# KiCad board PCA20073_nRF54L15_Tiny_Board.kicad_pcb (continued)
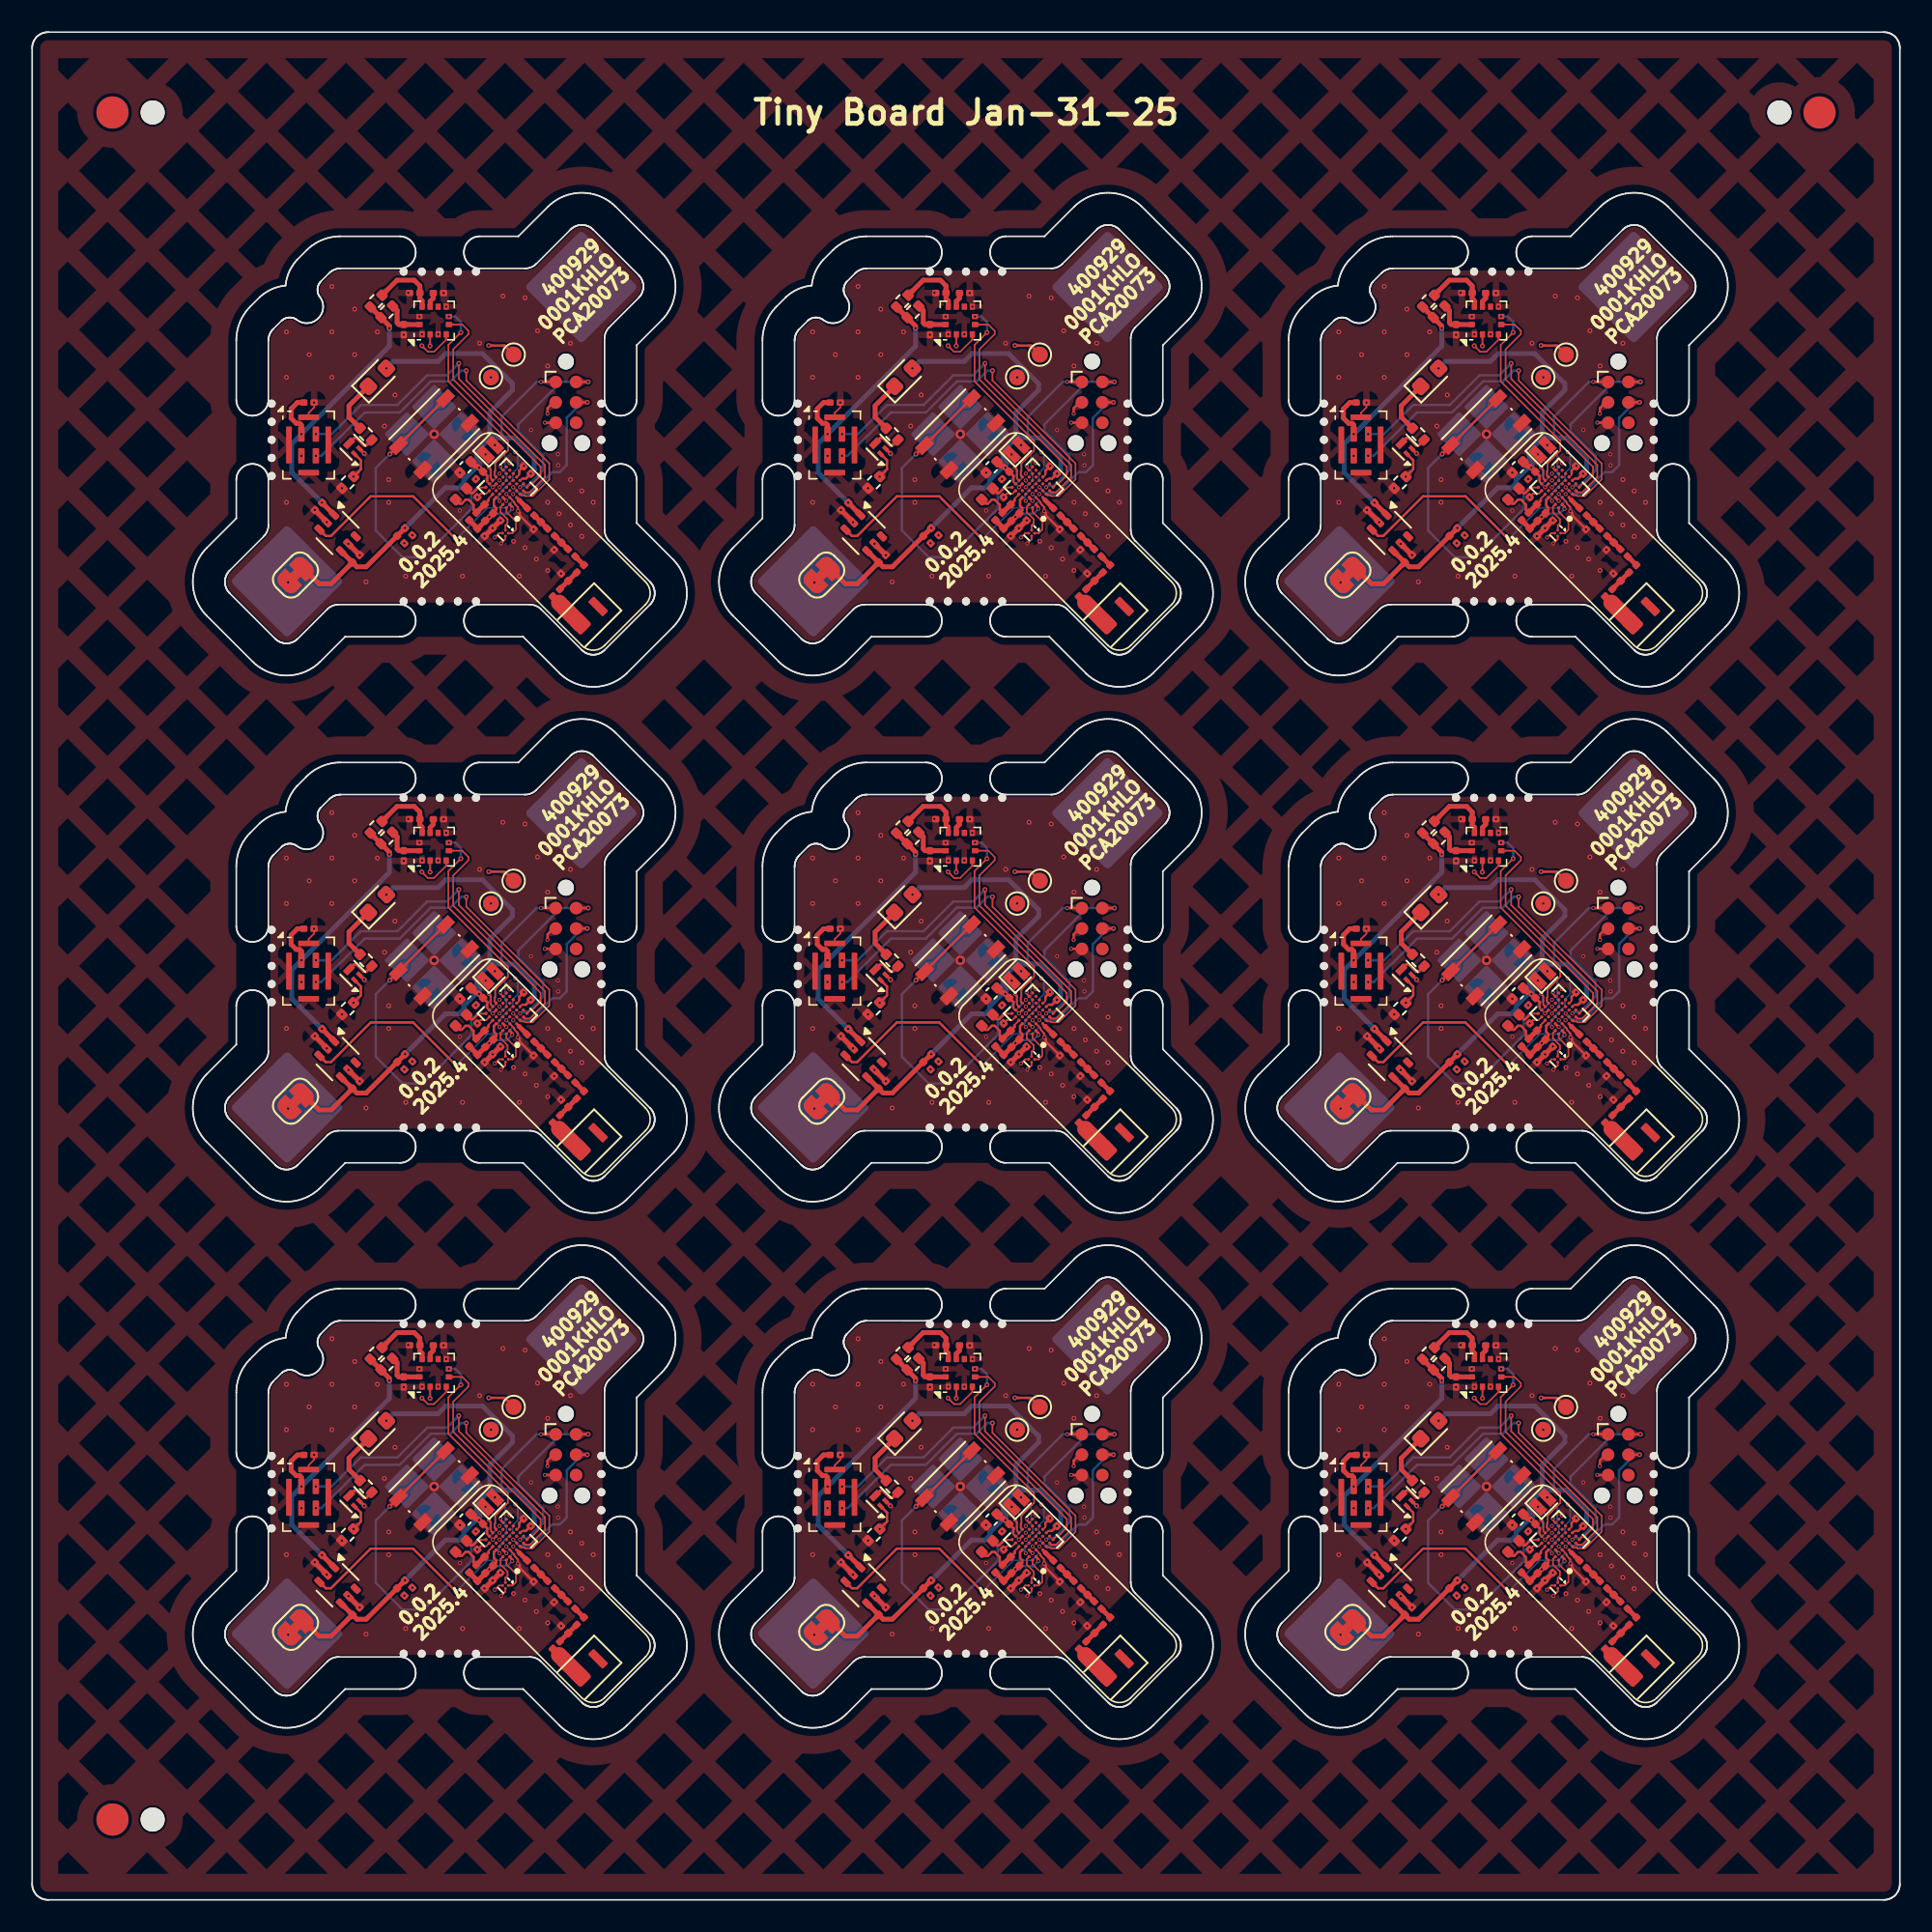
[diagram p0: board, top side]
## Routing (per net, layer and track width the routed paths; a pad name or vN(x,y) marks a point on that pad's centre or on a via; arc(x,y) is an arc through that point) (continued)
Board_3-Net-(L4-Pad2): length 0.8
  Top w0.293: 33.8,50.87 34.34,50.33
Board_3-Net-(L18-Pad1): length 1.5
  Top w0.293: 33.89,49.87 32.85,48.83
Board_3-Net-(Q1-D): length 1.9
  Top w0.15: Q1#3.3 20.04,58.23 20.18,58.23 20.64,57.77 20.79,57.77 R1#7.2
Board_3-Net-(U1-ANT): length 0.9
  Top w0.1: 30.17,54.52 30.16,54.51 30.3,54.37
  Top w0.293: 30.3,54.37 30.3,54.37 L2#2.1
Board_3-Net-(U1-DCC): length 1.5
  Top w0.1: 27.76,55.13 27.78,55.15 28.24,55.15
  Top w0.15: 27.76,55.13 27.44,54.81 27.32,54.81 L1#4.2
Board_3-Net-(U1-DECA): length 5.3
  Top w0.15: U1#2.A4 28.74,54.39 28.74,54.02 28.87,53.89 28.87,53.74 C5#8.1 ; 29.73,54.09 29.88,53.94 v1(29.88,53.83)
  Top w0.3: FB1#2.1 27.7,52.63 C2#3.1 27.72,52.58 v1(28.45,53.32) C5#8.1
  Bottom w0.15: v1(28.45,53.32) 28.7,53.32 28.9,53.52 29.57,53.52 v1(29.88,53.83)
Board_3-Net-(U1-DECD): length 3.6
  Top w0.1: 28.67,54.73 28.4,54.46 28.4,54.4
  Top w0.15: FB1#2.2 27.47,53.76 27.47,54.09 27.16,54.4 26.99,54.4 26.74,54.16 26.6,54.16 L1#4.1 ; C1#2.1 28.4,54.34 28.4,54.4
  Top w0.3: FB1#2.2 C1#2.1
Board_3-Net-(U1-P1.00): length 3.1
  Top w0.1: v1(29.09,55.17) 29.1,55.16 29.09,55.15
  Bottom w0.1: v1(29.09,55.17) 29.53,55.61 29.53,55.9 29.43,56.01 29.43,57.17 v1(28.8,57.8)
Board_3-Net-(U1-XC1): length 2.2
  Top w0.1: U1#2.A1 29.52,53.64 30.12,53.04 30.12,52.53 29.91,52.32 29.64,52.32 Y2#2.1
Board_3-Net-(U1-XC2): length 1.9
  Top w0.1: U1#2.A2 29.16,53.96 29.16,53.62 29.59,53.19 29.59,52.93 29.46,52.8 Y2#2.4
Board_3-Net-(U3-V_{REG_OUT}): length 0.9
  Top w0.3: C15#7.1 24.97,66.94 24.77,66.74 U3#7.9
Board_3-unconnected-(U1-P1.03-PadD5): length 0
  Top w0.1: 29.31,55.37 29.31,55.37 29.31,55.38
Board_3-VDD: length 45.3
  Top w0.1: 28.46,55.37 28.32,55.5 28.32,55.57 ; 30.37,55.58 30.5,55.71 30.57,55.71
  Top w0.15: 28.32,55.57 28.32,55.88 C11#4.1 ; v1(31.67,61.73) 32.59,61.73 J1#4.1 ; v2(31.03,56.02) 30.73,55.71 30.57,55.71
  Top w0.3: JP1#3.2 17.86,49.16 18.61,49.16 C3#7.1 ; U2.4 19.24,51.19 C3#7.1 ; C11#4.1 v2(27.82,56.38) 27.73,56.48 27.59,56.48 C10#2.1 ; C3#7.1 20.21,50.22 20.79,50.22 v2(23.21,52.64)
  Bottom w0.15: 29.47,58.24 29.46,58.24 29.22,58.48 ; 29.02,58.24 29.22,58.44 29.22,58.48 ; 29.22,58.48 29.22,59.55 31.4,61.73 v1(31.67,61.73) ; 29.22,58.48 29.22,58.24
  Bottom w0.3: 28.49,58.62 28.49,59.82 29.9,61.23 29.9,61.62 28.03,63.49 25.75,63.49 25.26,63 22.47,63 v2(22.04,62.57) ; 28.49,58.62 28.49,58.54 28.74,58.29 28.74,58.24 ; 28.49,58.62 28.49,58.22 ; 28.74,58.24 28.51,58.24 28.49,58.22 ; 28.74,58.24 30.05,58.24 31.26,57.03 31.26,56.24 31.06,56.04 ; 27.61,56.38 v2(27.82,56.38) 27.86,56.42 27.86,56.64 ; 27.61,56.38 27.71,56.38 27.86,56.53 27.86,56.64 ; 27.61,56.38 26.87,55.64 26.87,55.43 26.58,55.15 25.72,55.15 v2(23.21,52.64) ; 27.86,56.64 27.67,56.83 27.67,57.41 28.49,58.22
Board_4-/BUTTON0: length 21.9
  Top w0.1: U1#8.C7 61.3,55.71 61.3,56.24 61.17,56.37 v1(61.17,56.4)
  Top w0.15: SW1#3.1 SW1#3.1 v2(55.01,57.24)
  Bottom w0.15: v1(61.17,56.4) 61.28,56.3 61.28,55.96 60.08,54.76 60.08,53.82 59.85,53.58 57.08,50.81 55.8,50.81 54.13,52.48 54.13,56.36 v2(55.01,57.24)
Board_4-/INT1: length 14.2
  Top w0.1: U1#8.G1 63.73,55.37 63.85,55.37 64.39,55.91 64.39,56.45 58.96,61.88 58.96,63.75 59.91,64.71 59.91,64.9 59.52,65.3 U3#5.5
Board_4-/INT2: length 12.8
  Top w0.1: v2(59.43,64.8) 58.65,64.03 58.65,61.76 62.36,58.06 62.36,57.45 61.57,56.67 61.57,56.2 61.52,56.15 61.52,55.91 U1#8.D7
  Bottom w0.15: v2(59.43,64.8) 59.43,65.46 59.09,65.8 v2(58.68,65.8)
Board_4-/LED: length 17.8
  Top w0.15: Q1#9.1 53.21,56.85 53.21,56.29 v2(52.75,55.83) ; U1#8.B3 v1(62.27,54.32)
  In2.Cu w0.15: v2(52.75,55.83) 53.43,55.15 53.43,52.4 55.27,50.56 56.11,50.56 57.52,51.98 58.48,51.98 58.96,51.5 59.56,51.5 60.52,52.46 60.52,53.18 61.26,53.92 61.87,53.92 v1(62.27,54.32)
Board_4-/LFCLK1: length 2.8
  Top w0.075: 61.42,55.17 61.42,55.15
  Top w0.1: U1#8.C6 v1(61.42,55.17)
  Bottom w0.1: v1(61.42,55.17) 61.29,55.3 61.29,55.42 61.57,55.7 61.57,56.61 v1(60.97,57.21)
Board_4-/LSW: length 15.9
  Top w0.075: 62.27,54.73 62.27,54.73 v1(62.27,54.75)
  Top w0.15: v2(59.13,51.94) 56.46,54.61 53.82,54.61 51.35,52.14 51.02,52.14 U2#6.3
  Bottom w0.1: v1(62.27,54.75) 62.62,54.39 62.62,54.26 62.25,53.89 61.09,53.89 v2(59.13,51.94)
Board_4-/PDM_CLK: length 22.8
  Top w0.1: v2(59.77,62.43) 59.77,61.82 64.94,56.65 64.94,55.66 63.9,54.62 63.43,54.62 63.38,54.67 63.19,54.67 U1#8.E1
  Bottom w0.15: v1(50.41,57.13) 50.75,57.13 53.45,59.83 55.63,59.83 57.56,61.76 58.78,61.76 59.45,62.43 v2(59.77,62.43)
Board_4-/PDM_DATA: length 21.8
  Top w0.1: U1#8.F1 63.43,54.86 63.72,54.86 64.66,55.8 64.66,56.56 59.3,61.92 v2(59.3,62.88)
  Bottom w0.15: v2(59.3,62.88) 58.56,62.14 57.33,62.14 55.48,60.29 53.2,60.29 51.39,58.48 v1(50.41,58.48)
Board_4-/SCL: length 28.8
  Top w0.075: U1#8.F7 62.06,56.21
  Top w0.1: U3#5.4 58.52,64.36 57.76,63.6 57.38,63.6 v2(57.01,63.98) ; U1#8.F7 61.9,56.39 v1(61.9,56.48)
  In2.Cu w0.1: v2(57.01,63.98) 57.01,63.72 53.8,60.52 53.8,52.47 55.41,50.87 55.97,50.87 56.43,51.32 56.43,51.65 56.22,51.85 56.22,51.99 56.28,52.06 ; 56.28,52.06 56.54,52.06 56.55,52.05 56.93,52.05 57.2,52.32 59.16,52.32 61.54,54.71 61.81,54.71 62.17,55.08 62.17,55.94 62.11,56 62.11,56.27 v1(61.9,56.48) ; 56.28,52.06 v2(56.41,52.18)
  In2.Cu w0.15: v2(56.41,52.18) 56.55,52.05
Board_4-/SDA: length 24.8
  Top w0.1: U3#5.2 57.52,63.97 v2(57.51,63.96) ; 61.84,55.59 61.84,55.58
  In2.Cu w0.1: v2(55.92,51.69) 56.12,51.48 56.12,51.37 55.94,51.19 55.42,51.19 54.1,52.52 54.1,60.41 57.51,63.82 v2(57.51,63.96)
  In2.Cu w0.15: v2(55.92,51.69) 55.78,51.83 55.78,52 56.38,52.61 56.38,52.92 58.68,55.22 60.32,55.22 60.7,55.59 61.84,55.59 v1(61.84,55.59)
Board_4-/UART_RX: length 13.6
  Top w0.15: v2(61.16,63.99) 62.15,63.99 TP2#8.1
  In2.Cu w0.15: v1(62.83,57.35) 62.98,57.51 62.98,63.16 62.15,63.99 v2(61.16,63.99)
  Bottom w0.1: v1(61.84,54.32) 61.78,54.39 61.78,54.64 61.78,54.58 61.78,54.68 61.95,54.85 61.95,54.92 62.65,55.62 62.65,56.04 62.97,56.37 62.97,57.2 v1(62.83,57.35)
Board_4-/UART_TX: length 7.1
  In2.Cu w0.15: v1(61.84,56.02) 61.83,56.02 61.59,56.25 61.59,56.59 62.65,57.64 62.65,60.67 v2(61.3,62.01)
Board_4-GND: length 11.5
  Top w0.075: 62.74,54.18 62.92,54.01
  Top w0.1: 62.9,55.79 63.07,55.95 63.07,56.04 ; v1(61.54,52.05) 61.8,52.31 Y2#4.3 ; v1(50.3,60.44) 50.3,60.14 49.96,59.8 MK1#3.5 ; U1#8.C2 62.74,54.27 62.74,54.23 62.79,54.18 62.79,54.13 62.99,53.94 v1(62.99,53.68) ; Y2#4.2 62.21,51.94 v1(61.94,51.67) ; v1(60.46,54.56) 60.67,54.76 61.01,54.76 U1#8.A6
  Top w0.15: 63.07,56.04 63.07,56.21 C8#9.2 ; v2(52.03,55.11) 52.03,55.1 52.04,55.08 ; v1(62.99,53.68) 63.09,53.58 63.09,53.42 v2(63.96,52.55) ; J1#6.5 65.33,59.19 v1(64.66,59.19) ; v2(53.42,57.27) Q1#9.2
  Top w0.3: v2(52.43,51.65) v2(53.14,50.95) ; v1(60.9,52.13) 60.92,52.13 v1(61.41,52.63) ; v1(61.9,53.11) v1(61.41,52.63) ; v1(61.41,52.63) C12#8.2 ; v2(51.09,53) 51.09,53.01 v2(50.34,53.76)
  vias: v1(49.51,57.13) v1(59.37,53.72) v1(60.37,55.68) v1(62.46,56.68) v1(63.36,56.5) v1(63.79,58.73) v1(65.47,57.22) v1(65.49,56.54) v2(48.58,64.84) v2(48.58,62.01) v2(48.58,54.23) v2(49.99,63.43) v2(51.41,67.67) v2(51.41,64.84) v2(51.41,62.01) v2(52.82,66.25) v2(52.82,63.43) v2(53.53,49.28) v2(54.23,64.84) v2(54.68,58.98) v2(54.94,55.65) v2(54.94,54.23) v2(55.33,60.92) v2(55.87,64.66) v2(56,49.64) v2(56.16,67.28) v2(56.85,65.8) v2(57.02,64.69) v2(58.02,64.69) v2(58.36,67.26) v2(58.52,66.41) v2(59.37,56.08) v2(59.54,49.64) v2(60.6,64.13) v2(62.05,67.07) v2(62.71,51.81) v2(63.07,49.64) v2(63.43,66.96) v2(63.43,51.41) v2(64.13,50.7) v2(64.2,64.91) v2(64.84,65.55) v2(64.84,62.72) v2(64.84,54.23) v2(64.84,49.99) v2(65.24,51.28) v2(65.55,53.53) v2(65.67,49.8) v2(66.25,64.13) v2(66.25,55.65) v2(66.25,52.82) v2(66.96,54.94) v2(66.96,52.11) v2(67.67,54.23) v3(57.77,58.48)
Board_4-Net-(AE1-PCB_Trace): length 1.9
  Top w1: AE1#9.2 65.55,47.98
Board_4-Net-(BT1-+):
  vias: v2(48.68,49.25)
Board_4-Net-(C6-Pad1): length 1.2
  Top w0.293: 64,53.42 64.82,52.6
Board_4-Net-(C9-Pad1): length 1.2
  Top w0.293: 65.28,52.14 66.1,51.32
Board_4-Net-(D1-K): length 3.4
  Top w0.3: R1.1 52.47,59.54 52.47,60.24 D1#5.1
Board_4-Net-(J1-SWCLK): length 9.5
  Top w0.15: J1#6.4 v2(67.3,60.46)
  Bottom w0.15: v2(67.3,60.46) 66.99,60.46 66.02,59.49 66.02,56.55 65.59,56.11 65.12,56.11 63.79,54.78 63.08,54.78 62.69,55.17 v1(62.69,55.17)
Board_4-Net-(J1-SWDIO): length 11.6
  Top w0.15: v2(67.36,61.73) 66.61,61.73 J1#6.2
  Bottom w0.15: v1(63.12,55.17) 63.13,55.17 63.23,55.27 63.6,55.27 64.56,56.23 64.56,57.15 63,58.71 63,59.08 65.65,61.73 v2(67.36,61.73)
Board_4-Net-(J1-~{RESET}): length 8.1
  Top w0.15: J1#6.3 65.19,60.46 64.83,60.09 v1(64.83,59.75) ; 62.69,54.73 v1(62.69,54.75)
  In2.Cu w0.15: v1(62.69,54.75) 62.77,54.83 63.33,54.83 64.52,56.02 64.52,56.55 63.72,57.35 63.72,58.09 64.2,58.58 64.2,59.49 64.46,59.75 v1(64.83,59.75)
Board_4-Net-(JP2-A): length 2.6
  Top w0.3: 56.85,65.3 U3#5.12 55.88,65.3 C16#8.1 55.57,65.3 55.46,65.41 55.46,66.17 JP2#4.1
Board_4-Net-(JP3-A): length 4.3
  Top w0.3: U3#5.10 57.02,66.76 56.88,66.9 C17.1 56.88,67.71 56.53,68.06 55.46,68.06 JP3.1
Board_4-Net-(L4-Pad2): length 0.8
  Top w0.293: 66.55,50.87 67.09,50.33
Board_4-Net-(L18-Pad1): length 1.5
  Top w0.293: 66.64,49.87 65.6,48.83
Board_4-Net-(Q1-D): length 1.9
  Top w0.15: R1.2 53.54,57.77 53.39,57.77 52.93,58.23 52.78,58.23 Q1#9.3
Board_4-Net-(U1-ANT): length 0.9
  Top w0.1: 62.91,54.52 62.9,54.51 63.05,54.37
  Top w0.293: 63.05,54.37 63.05,54.37 L2#6.1
Board_4-Net-(U1-DCC): length 1.5
  Top w0.1: 60.51,55.13 60.53,55.15 60.99,55.15
  Top w0.15: 60.51,55.13 60.19,54.81 60.07,54.81 L1#3.2
Board_4-Net-(U1-DECA): length 5.3
  Top w0.15: v1(62.63,53.83) 62.63,53.94 62.48,54.09 ; C5#3.1 61.62,53.74 61.62,53.89 61.49,54.02 61.49,54.39 U1#8.A4
  Top w0.3: FB1#5.1 60.45,52.63 C2#7.1 60.47,52.58 v1(61.2,53.32) C5#3.1
  Bottom w0.15: v1(61.2,53.32) 61.45,53.32 61.65,53.52 62.32,53.52 v1(62.63,53.83)
Board_4-Net-(U1-DECD): length 3.6
  Top w0.1: 61.15,54.4 61.15,54.46 61.42,54.73
  Top w0.15: 61.15,54.4 61.15,54.34 C1.1 ; L1#3.1 59.35,54.16 59.49,54.16 59.73,54.4 59.9,54.4 60.22,54.09 60.22,53.76 FB1#5.2
  Top w0.3: FB1#5.2 C1.1
Board_4-Net-(U1-P1.00): length 3.1
  Top w0.1: 61.84,55.15 61.85,55.16 v1(61.84,55.17)
  Bottom w0.1: v1(61.84,55.17) 62.28,55.61 62.28,55.9 62.17,56.01 62.17,57.17 v1(61.55,57.8)
Board_4-Net-(U1-XC1): length 2.2
  Top w0.1: Y2#4.1 62.38,52.32 62.66,52.32 62.87,52.53 62.87,53.04 62.27,53.64 U1#8.A1
Board_4-Net-(U1-XC2): length 1.9
  Top w0.1: U1#8.A2 61.91,53.96 61.91,53.62 62.34,53.19 62.34,52.93 62.21,52.8 Y2#4.4
Board_4-Net-(U3-V_{REG_OUT}): length 0.9
  Top w0.3: U3#5.9 57.52,66.74 57.72,66.94 C15#2.1
Board_4-unconnected-(U1-P1.03-PadD5): length 0
  Top w0.1: 62.06,55.38 62.06,55.37 62.05,55.37
Board_4-VDD: length 45.3
  Top w0.1: 63.11,55.58 63.25,55.71 63.32,55.71 ; 61.07,55.57 61.07,55.5 61.21,55.37
  Top w0.15: 61.07,55.57 61.07,55.88 C11#8.1 ; 63.32,55.71 63.48,55.71 v2(63.78,56.02) ; J1#6.1 65.33,61.73 v1(64.42,61.73)
  Top w0.3: v2(55.96,52.64) 53.54,50.22 52.96,50.22 C3#9.1 ; C11#8.1 v2(60.57,56.38) 60.48,56.48 60.34,56.48 C10#8.1 ; C3#9.1 51.36,49.16 50.61,49.16 JP1#2.2 ; C3#9.1 51.99,51.19 U2#6.4
  Bottom w0.15: 61.97,58.48 61.97,59.55 64.15,61.73 v1(64.42,61.73) ; 61.97,58.48 62.21,58.24 62.22,58.24 ; 61.97,58.48 61.97,58.24 ; 61.97,58.48 61.97,58.44 61.77,58.24
  Bottom w0.3: 60.36,56.38 v2(60.57,56.38) 60.6,56.42 60.6,56.64 ; 60.36,56.38 59.61,55.64 59.61,55.43 59.33,55.15 58.47,55.15 v2(55.96,52.64) ; 60.36,56.38 60.46,56.38 60.6,56.53 60.6,56.64 ; 63.81,56.04 64.01,56.24 64.01,57.03 62.8,58.24 61.49,58.24 ; 61.23,58.62 61.23,58.54 61.49,58.29 61.49,58.24 ; 61.23,58.62 61.23,59.82 62.65,61.23 62.65,61.62 60.77,63.49 58.5,63.49 58.01,63 55.22,63 v2(54.79,62.57) ; 61.23,58.62 61.23,58.22 ; 61.23,58.22 60.42,57.41 60.42,56.83 60.6,56.64 ; 61.23,58.22 61.26,58.24 61.49,58.24
Board_5-/BUTTON0: length 21.9
  Top w0.1: v1(93.92,56.4) 93.92,56.37 94.05,56.24 94.05,55.71 U1.C7
  Top w0.15: SW1#8.1 SW1#8.1 v2(87.76,57.24)
  Bottom w0.15: v1(93.92,56.4) 94.03,56.3 94.03,55.96 92.83,54.76 92.83,53.82 92.6,53.58 89.83,50.81 88.55,50.81 86.88,52.48 86.88,56.36 v2(87.76,57.24)
Board_5-/INT1: length 14.2
  Top w0.1: U3#3.5 92.27,65.3 92.66,64.9 92.66,64.71 91.71,63.75 91.71,61.88 97.14,56.45 97.14,55.91 96.6,55.37 96.48,55.37 U1.G1
Board_5-/INT2: length 12.8
  Top w0.1: U1.D7 94.27,55.91 94.27,56.15 94.32,56.2 94.32,56.67 95.11,57.45 95.11,58.06 91.4,61.76 91.4,64.03 v2(92.18,64.8)
  Bottom w0.15: v2(92.18,64.8) 92.18,65.46 91.84,65.8 v2(91.43,65.8)
Board_5-/LED: length 17.8
  Top w0.15: U1.B3 v1(95.01,54.32) ; Q1#6.1 85.96,56.85 85.96,56.29 v2(85.5,55.83)
  In2.Cu w0.15: v2(85.5,55.83) 86.18,55.15 86.18,52.4 88.02,50.56 88.86,50.56 90.27,51.98 91.23,51.98 91.71,51.5 92.31,51.5 93.27,52.46 93.27,53.18 94.01,53.92 94.61,53.92 v1(95.01,54.32)
Board_5-/LFCLK1: length 2.8
  Top w0.075: v1(94.17,55.17) 94.17,55.15
  Top w0.1: U1.C6 v1(94.17,55.17)
  Bottom w0.1: v1(94.17,55.17) 94.04,55.3 94.04,55.42 94.32,55.7 94.32,56.61 v1(93.72,57.21)
Board_5-/LSW: length 15.9
  Top w0.075: v1(95.02,54.75) 95.02,54.73 95.02,54.73
  Top w0.15: U2#3.3 83.77,52.14 84.1,52.14 86.57,54.61 89.21,54.61 v2(91.88,51.94)
  Bottom w0.1: v2(91.88,51.94) 93.83,53.89 94.99,53.89 95.37,54.26 95.37,54.39 v1(95.02,54.75)
Board_5-/PDM_CLK: length 22.8
  Top w0.1: v2(92.52,62.43) 92.52,61.82 97.69,56.65 97.69,55.66 96.65,54.62 96.18,54.62 96.13,54.67 95.94,54.67 U1.E1
  Bottom w0.15: v2(92.52,62.43) 92.2,62.43 91.53,61.76 90.31,61.76 88.38,59.83 86.2,59.83 83.5,57.13 v1(83.16,57.13)
Board_5-/PDM_DATA: length 21.8
  Top w0.1: U1.F1 96.18,54.86 96.47,54.86 97.41,55.8 97.41,56.56 92.05,61.92 v2(92.05,62.88)
  Bottom w0.15: v1(83.16,58.48) 84.14,58.48 85.95,60.29 88.23,60.29 90.08,62.14 91.31,62.14 v2(92.05,62.88)
Board_5-/SCL: length 28.8
  Top w0.075: 94.8,56.21 94.8,56.21 U1.F7
  Top w0.1: U3#3.4 91.27,64.36 90.51,63.6 90.13,63.6 v2(89.75,63.98) ; v1(94.65,56.48) 94.65,56.39 U1.F7
  In2.Cu w0.1: v2(89.75,63.98) 89.75,63.72 86.55,60.52 86.55,52.47 88.16,50.87 88.72,50.87 89.17,51.32 89.17,51.65 88.97,51.85 88.97,51.99 89.03,52.06 ; 89.03,52.06 89.29,52.06 89.29,52.05 89.68,52.05 89.95,52.32 91.9,52.32 94.29,54.71 94.56,54.71 94.92,55.08 94.92,55.94 94.86,56 94.86,56.27 v1(94.65,56.48) ; 89.03,52.06 v2(89.16,52.18)
  In2.Cu w0.15: v2(89.16,52.18) 89.29,52.05
Board_5-/SDA: length 24.8
  Top w0.1: v2(90.26,63.96) 90.27,63.97 U3#3.2 ; 94.59,55.59 94.59,55.58
  In2.Cu w0.1: v2(88.67,51.69) 88.87,51.48 88.87,51.37 88.69,51.19 88.17,51.19 86.85,52.52 86.85,60.41 90.26,63.82 v2(90.26,63.96)
  In2.Cu w0.15: v2(88.67,51.69) 88.52,51.83 88.52,52 89.13,52.61 89.13,52.92 91.43,55.22 93.07,55.22 93.45,55.59 94.59,55.59 v1(94.59,55.59)
Board_5-/UART_RX: length 13.6
  Top w0.15: TP2#7.1 94.9,63.99 v2(93.91,63.99)
  In2.Cu w0.15: v2(93.91,63.99) 94.9,63.99 95.73,63.16 95.73,57.51 v1(95.57,57.35)
  Bottom w0.1: v1(95.57,57.35) 95.72,57.2 95.72,56.37 95.4,56.04 95.4,55.62 94.7,54.92 94.7,54.85 94.53,54.68 94.53,54.58 94.53,54.64 94.53,54.39 v1(94.59,54.32)
Board_5-/UART_TX: length 7.1
  In2.Cu w0.15: v2(94.05,62.01) 95.4,60.67 95.4,57.64 94.34,56.59 94.34,56.25 94.57,56.02 v1(94.59,56.02)
Board_5-GND: length 11.5
  Top w0.075: 95.49,54.18 95.67,54.01
  Top w0.1: Y2#7.2 94.95,51.94 v1(94.69,51.67) ; U1.C2 95.49,54.27 95.49,54.23 95.54,54.18 95.54,54.13 95.74,53.94 v1(95.74,53.68) ; v1(83.05,60.44) 83.05,60.14 82.71,59.8 MK1#7.5 ; U1.A6 93.76,54.76 93.42,54.76 v1(93.21,54.56) ; 95.81,56.04 95.81,55.95 95.65,55.79 ; Y2#7.3 94.55,52.31 v1(94.29,52.05)
  Top w0.15: v2(84.78,55.11) 84.78,55.1 84.79,55.08 ; v1(97.41,59.19) 98.08,59.19 J1#2.5 ; v1(95.74,53.68) 95.84,53.58 95.84,53.42 v2(96.71,52.55) ; v2(86.17,57.27) Q1#6.2 ; 95.81,56.04 95.81,56.21 C8#8.2
  Top w0.3: v2(85.18,51.65) v2(85.89,50.95) ; v2(83.84,53) 83.84,53.01 v2(83.09,53.76) ; v1(93.65,52.13) 93.67,52.13 v1(94.16,52.63) ; v1(94.65,53.11) v1(94.16,52.63) ; v1(94.16,52.63) C12#7.2
  vias: v1(82.26,57.13) v1(92.12,53.72) v1(93.12,55.68) v1(95.21,56.68) v1(96.11,56.5) v1(96.54,58.73) v1(98.22,57.22) v1(98.24,56.54) v2(81.33,64.84) v2(81.33,62.01) v2(81.33,54.23) v2(82.74,63.43) v2(84.15,67.67) v2(84.15,64.84) v2(84.15,62.01) v2(85.57,66.25) v2(85.57,63.43) v2(86.28,49.28) v2(86.98,64.84) v2(87.43,58.98) v2(87.69,55.65) v2(87.69,54.23) v2(88.08,60.92) v2(88.62,64.66) v2(88.75,49.64) v2(88.9,67.28) v2(89.6,65.8) v2(89.77,64.69) v2(90.77,64.69) v2(91.11,67.26) v2(91.27,66.41) v2(92.12,56.08) v2(92.29,49.64) v2(93.35,64.13) v2(94.8,67.07) v2(95.46,51.81) v2(95.82,49.64) v2(96.17,66.96) v2(96.17,51.41) v2(96.95,64.91) v2(96.88,50.7) v2(97.59,65.55) v2(97.59,62.72) v2(97.59,54.23) v2(97.59,49.99) v2(97.99,51.28) v2(98.3,53.53) v2(98.42,49.8) v2(99,64.13) v2(99,55.65) v2(99,52.82) v2(99.71,54.94) v2(99.71,52.11) v2(100.42,54.23) v3(90.52,58.48)
Board_5-Net-(AE1-PCB_Trace): length 1.9
  Top w1: AE1.2 98.3,47.98
Board_5-Net-(BT1-+):
  vias: v2(81.43,49.25)
Board_5-Net-(C6-Pad1): length 1.2
  Top w0.293: 96.75,53.42 97.57,52.6
Board_5-Net-(C9-Pad1): length 1.2
  Top w0.293: 98.02,52.14 98.84,51.32
Board_5-Net-(D1-K): length 3.4
  Top w0.3: D1#9.1 85.21,60.24 85.21,59.54 R1#8.1
Board_5-Net-(J1-SWCLK): length 9.5
  Top w0.15: J1#2.4 v2(100.05,60.46)
  Bottom w0.15: v2(100.05,60.46) 99.74,60.46 98.77,59.49 98.77,56.55 98.34,56.11 97.87,56.11 96.54,54.78 95.83,54.78 95.44,55.17 v1(95.44,55.17)
Board_5-Net-(J1-SWDIO): length 11.6
  Top w0.15: J1#2.2 99.36,61.73 v2(100.11,61.73)
  Bottom w0.15: v1(95.86,55.17) 95.88,55.17 95.98,55.27 96.34,55.27 97.31,56.23 97.31,57.15 95.75,58.71 95.75,59.08 98.4,61.73 v2(100.11,61.73)
Board_5-Net-(J1-~{RESET}): length 8.1
  Top w0.15: v1(95.44,54.75) 95.44,54.73 95.44,54.73 ; J1#2.3 97.94,60.46 97.57,60.09 v1(97.57,59.75)
  In2.Cu w0.15: v1(95.44,54.75) 95.52,54.83 96.08,54.83 97.27,56.02 97.27,56.55 96.46,57.35 96.46,58.09 96.95,58.58 96.95,59.49 97.21,59.75 v1(97.57,59.75)
Board_5-Net-(JP2-A): length 2.6
  Top w0.3: 89.6,65.3 U3#3.12 88.63,65.3 C16#7.1 88.32,65.3 88.21,65.41 88.21,66.17 JP2#7.1
Board_5-Net-(JP3-A): length 4.3
  Top w0.3: U3#3.10 89.77,66.76 89.63,66.9 C17#4.1 89.63,67.71 89.28,68.06 88.21,68.06 JP3#7.1
Board_5-Net-(L4-Pad2): length 0.8
  Top w0.293: 99.3,50.87 99.84,50.33
Board_5-Net-(L18-Pad1): length 1.5
  Top w0.293: 99.39,49.87 98.35,48.83
Board_5-Net-(Q1-D): length 1.9
  Top w0.15: R1#8.2 86.29,57.77 86.13,57.77 85.67,58.23 85.53,58.23 Q1#6.3
Board_5-Net-(U1-ANT): length 0.9
  Top w0.1: 95.8,54.37 95.65,54.51 95.66,54.52
  Top w0.293: L2#7.1 95.8,54.37 95.8,54.37
Board_5-Net-(U1-DCC): length 1.5
  Top w0.1: 93.74,55.15 93.28,55.15 93.25,55.13
  Top w0.15: L1#9.2 92.82,54.81 92.94,54.81 93.25,55.13
Board_5-Net-(U1-DECA): length 5.3
  Top w0.15: C5.1 94.37,53.74 94.37,53.89 94.24,54.02 94.24,54.39 U1.A4 ; 95.23,54.09 95.38,53.94 v1(95.38,53.83)
  Top w0.3: FB1#3.1 93.2,52.63 C2#8.1 93.21,52.58 v1(93.95,53.32) C5.1
  Bottom w0.15: v1(93.95,53.32) 94.2,53.32 94.4,53.52 95.06,53.52 v1(95.38,53.83)
Board_5-Net-(U1-DECD): length 3.6
  Top w0.1: 93.9,54.4 93.9,54.46 94.17,54.73
  Top w0.15: 93.9,54.4 93.9,54.34 C1#9.1 ; L1#9.1 92.1,54.16 92.24,54.16 92.48,54.4 92.65,54.4 92.97,54.09 92.97,53.76 FB1#3.2
  Top w0.3: FB1#3.2 C1#9.1
Board_5-Net-(U1-P1.00): length 3.1
  Top w0.1: 94.59,55.15 94.6,55.16 v1(94.59,55.17)
  Bottom w0.1: v1(94.3,57.8) 94.92,57.17 94.92,56.01 95.03,55.9 95.03,55.61 v1(94.59,55.17)
Board_5-Net-(U1-XC1): length 2.2
  Top w0.1: U1.A1 95.02,53.64 95.62,53.04 95.62,52.53 95.4,52.32 95.13,52.32 Y2#7.1
Board_5-Net-(U1-XC2): length 1.9
  Top w0.1: Y2#7.4 94.95,52.8 95.09,52.93 95.09,53.19 94.65,53.62 94.65,53.96 U1.A2
Board_5-Net-(U3-V_{REG_OUT}): length 0.9
  Top w0.3: U3#3.9 90.27,66.74 90.47,66.94 C15#6.1
Board_5-unconnected-(U1-P1.03-PadD5): length 0
  Top w0.1: 94.8,55.37 94.8,55.37 94.8,55.38
Board_5-VDD: length 45.3
  Top w0.1: 96.07,55.71 96,55.71 95.86,55.58 ; 93.95,55.37 93.82,55.5 93.82,55.57
  Top w0.15: v1(97.16,61.73) 98.08,61.73 J1#2.1 ; 93.82,55.57 93.82,55.88 C11#6.1 ; v2(96.53,56.02) 96.22,55.71 96.07,55.71
  Top w0.3: U2#3.4 84.73,51.19 C3#8.1 ; C3#8.1 84.1,49.16 83.35,49.16 JP1.2 ; C3#8.1 85.71,50.22 86.29,50.22 v2(88.71,52.64) ; C10#4.1 93.08,56.48 93.23,56.48 v2(93.32,56.38) C11#6.1
  Bottom w0.15: v1(97.16,61.73) 96.9,61.73 94.72,59.55 94.72,58.48 ; 94.72,58.48 94.72,58.44 94.52,58.24 ; 94.72,58.48 94.72,58.24 ; 94.72,58.48 94.96,58.24 94.97,58.24
  Bottom w0.3: 93.35,56.64 93.35,56.42 v2(93.32,56.38) 93.11,56.38 ; 93.35,56.64 93.35,56.53 93.2,56.38 93.11,56.38 ; 93.35,56.64 93.17,56.83 93.17,57.41 93.98,58.22 ; v2(87.54,62.57) 87.97,63 90.76,63 91.25,63.49 93.52,63.49 95.4,61.62 95.4,61.23 93.98,59.82 93.98,58.62 ; 93.11,56.38 92.36,55.64 92.36,55.43 92.08,55.15 91.22,55.15 v2(88.71,52.64) ; 93.98,58.22 93.98,58.62 ; 93.98,58.22 94,58.24 94.24,58.24 ; 94.24,58.24 95.55,58.24 96.75,57.03 96.75,56.24 96.56,56.04 ; 94.24,58.24 94.24,58.29 93.98,58.54 93.98,58.62
Board_6-/BUTTON0: length 21.9
  Top w0.1: v1(28.42,23.66) 28.42,23.62 28.56,23.49 28.56,22.96 U1#4.C7
  Top w0.15: v2(22.26,24.49) SW1#4.1 SW1#4.1
  Bottom w0.15: v2(22.26,24.49) 21.39,23.61 21.39,19.73 23.05,18.06 24.33,18.06 27.1,20.83 27.33,21.07 27.33,22.02 28.53,23.21 28.53,23.55 v1(28.42,23.66)
Board_6-/INT1: length 14.2
  Top w0.1: U3#4.5 26.77,32.55 27.16,32.16 27.16,31.96 26.21,31 26.21,29.14 31.65,23.7 31.65,23.16 31.1,22.62 30.99,22.62 U1#4.G1
Board_6-/INT2: length 12.8
  Top w0.1: U1#4.D7 28.78,23.17 28.78,23.4 28.82,23.45 28.82,23.92 29.61,24.7 29.61,25.31 25.9,29.02 25.9,31.28 v2(26.68,32.06)
  Bottom w0.15: v2(26.68,32.06) 26.68,32.71 26.34,33.05 v2(25.93,33.05)
Board_6-/LED: length 17.8
  Top w0.15: Q1#8.1 20.46,24.1 20.46,23.54 v2(20,23.08) ; U1#4.B3 29.52,21.57 v1(29.52,21.57)
  In2.Cu w0.15: v2(20,23.08) 20.69,22.4 20.69,19.65 22.52,17.82 23.36,17.82 24.77,19.23 25.73,19.23 26.22,18.75 26.81,18.75 27.77,19.71 27.77,20.43 28.51,21.17 29.12,21.17 v1(29.52,21.57)
Board_6-/LFCLK1: length 2.8
  Top w0.075: 28.67,22.42 28.67,22.4
  Top w0.1: U1#4.C6 v1(28.67,22.42)
  Bottom w0.1: v1(28.67,22.42) 28.54,22.55 28.54,22.67 28.82,22.95 28.82,23.87 v1(28.22,24.46)
Board_6-/LSW: length 15.9
  Top w0.075: 29.52,21.98 29.52,21.98 v1(29.52,22)
  Top w0.15: U2#7.3 18.27,19.39 18.6,19.39 21.07,21.86 23.71,21.86 v2(26.39,19.19)
  Bottom w0.1: v2(26.39,19.19) 28.34,21.14 29.5,21.14 29.87,21.51 29.87,21.64 v1(29.52,22)
Board_6-/PDM_CLK: length 22.8
  Top w0.1: U1#4.E1 30.44,21.92 30.63,21.92 30.68,21.87 31.15,21.87 32.19,22.91 32.19,23.9 27.02,29.07 v2(27.02,29.68)
  Bottom w0.15: v2(27.02,29.68) 26.7,29.68 26.03,29.01 24.81,29.01 22.88,27.08 20.7,27.08 18,24.38 v1(17.66,24.38)
Board_6-/PDM_DATA: length 21.8
  Top w0.1: v2(26.55,30.13) 26.55,29.17 31.91,23.81 31.91,23.05 30.97,22.11 30.68,22.11 U1#4.F1
  Bottom w0.15: v2(26.55,30.13) 25.81,29.39 24.58,29.39 22.73,27.54 20.45,27.54 18.64,25.73 v1(17.66,25.73)
Board_6-/SCL: length 28.8
  Top w0.075: U1#4.F7 29.31,23.47 29.31,23.46
  Top w0.1: U3#4.4 25.77,31.61 25.01,30.85 24.63,30.85 v2(24.26,31.23) ; v1(29.15,23.73) 29.15,23.64 U1#4.F7
  In2.Cu w0.1: v2(23.66,19.43) 23.54,19.31 ; 23.54,19.31 23.47,19.24 23.47,19.1 23.68,18.9 23.68,18.57 23.22,18.12 22.66,18.12 21.05,19.72 21.05,27.77 24.26,30.97 v2(24.26,31.23) ; 23.54,19.31 23.79,19.31 23.8,19.3 24.18,19.3 24.45,19.58 26.41,19.58 28.79,21.96 29.06,21.96 29.43,22.33 29.43,23.19 29.36,23.26 29.36,23.52 v1(29.15,23.73)
  In2.Cu w0.15: v2(23.66,19.43) 23.8,19.3
Board_6-/SDA: length 24.8
  Top w0.1: v2(24.77,31.21) 24.77,31.22 U3#4.2 ; 29.09,22.85 29.09,22.83
  In2.Cu w0.1: v2(23.17,18.94) 23.37,18.73 23.37,18.62 23.2,18.44 22.67,18.44 21.35,19.77 21.35,27.66 24.77,31.07 v2(24.77,31.21)
  In2.Cu w0.15: v1(29.09,22.85) 29.09,22.84 27.95,22.84 27.57,22.47 25.93,22.47 23.63,20.17 23.63,19.86 23.03,19.25 23.03,19.08 v2(23.17,18.94)
Board_6-/UART_RX: length 13.6
  Top w0.15: TP2#9.1 29.4,31.24 v2(28.41,31.24)
  In2.Cu w0.15: v1(30.08,24.6) 30.23,24.76 30.23,30.42 29.4,31.24 v2(28.41,31.24)
  Bottom w0.1: v1(30.08,24.6) 30.22,24.45 30.22,23.62 29.9,23.3 29.9,22.87 29.2,22.17 29.2,22.1 29.03,21.93 29.03,21.83 29.03,21.89 29.03,21.64 v1(29.09,21.57)
Board_6-/UART_TX: length 7.1
  In2.Cu w0.15: v1(29.09,23.27) 29.08,23.27 28.85,23.5 28.85,23.84 29.9,24.89 29.9,27.92 v2(28.56,29.26)
Board_6-GND: length 11.5
  Top w0.075: 29.99,21.44 30.17,21.26
  Top w0.1: v1(28.79,19.3) 29.06,19.57 Y2#5.3 ; U1#4.C2 29.99,21.53 29.99,21.48 30.04,21.43 30.04,21.39 30.24,21.19 v1(30.24,20.93) ; 30.15,23.04 30.32,23.2 30.32,23.29 ; v1(29.19,18.93) 29.46,19.19 Y2#5.2 ; v1(27.71,21.81) 27.92,22.02 28.26,22.02 U1#4.A6 ; v1(17.55,27.69) 17.55,27.39 17.21,27.05 MK1#9.5
  Top w0.15: C8#3.2 30.32,23.46 30.32,23.29 ; 19.29,22.33 19.28,22.35 v2(19.28,22.36) ; J1.5 32.58,26.44 v1(31.91,26.44) ; v2(31.21,19.8) 30.35,20.67 30.35,20.83 v1(30.24,20.93) ; v2(20.67,24.53) Q1#8.2
  Top w0.3: v1(29.15,20.37) v1(28.66,19.88) ; v1(28.66,19.88) C12#2.2 ; v1(28.66,19.88) 28.17,19.38 v1(28.16,19.38) ; v2(19.68,18.9) v2(20.39,18.2) ; v2(18.34,20.25) 18.34,20.26 v2(17.59,21.01)